# Altium PCB roach2.PcbDoc (part 20 of 39)
Units mil, origin at the board's own origin, x right, y up, seen from the top; angles counter-clockwise.
Board outline 12007.87 x 9606.3 mil, 16 copper layers (L1_TOP, L2_G, L3_S, L4_G, L5_S, L6_P, L7_G, L8_R, L9_R, L10_P, L11_P, L12_S, L13_P, L14_S, L15_G, L16_BOT), stack 81.651 mil thick; 1568 components, 1918 nets, 9251 pads, 6741 vias.
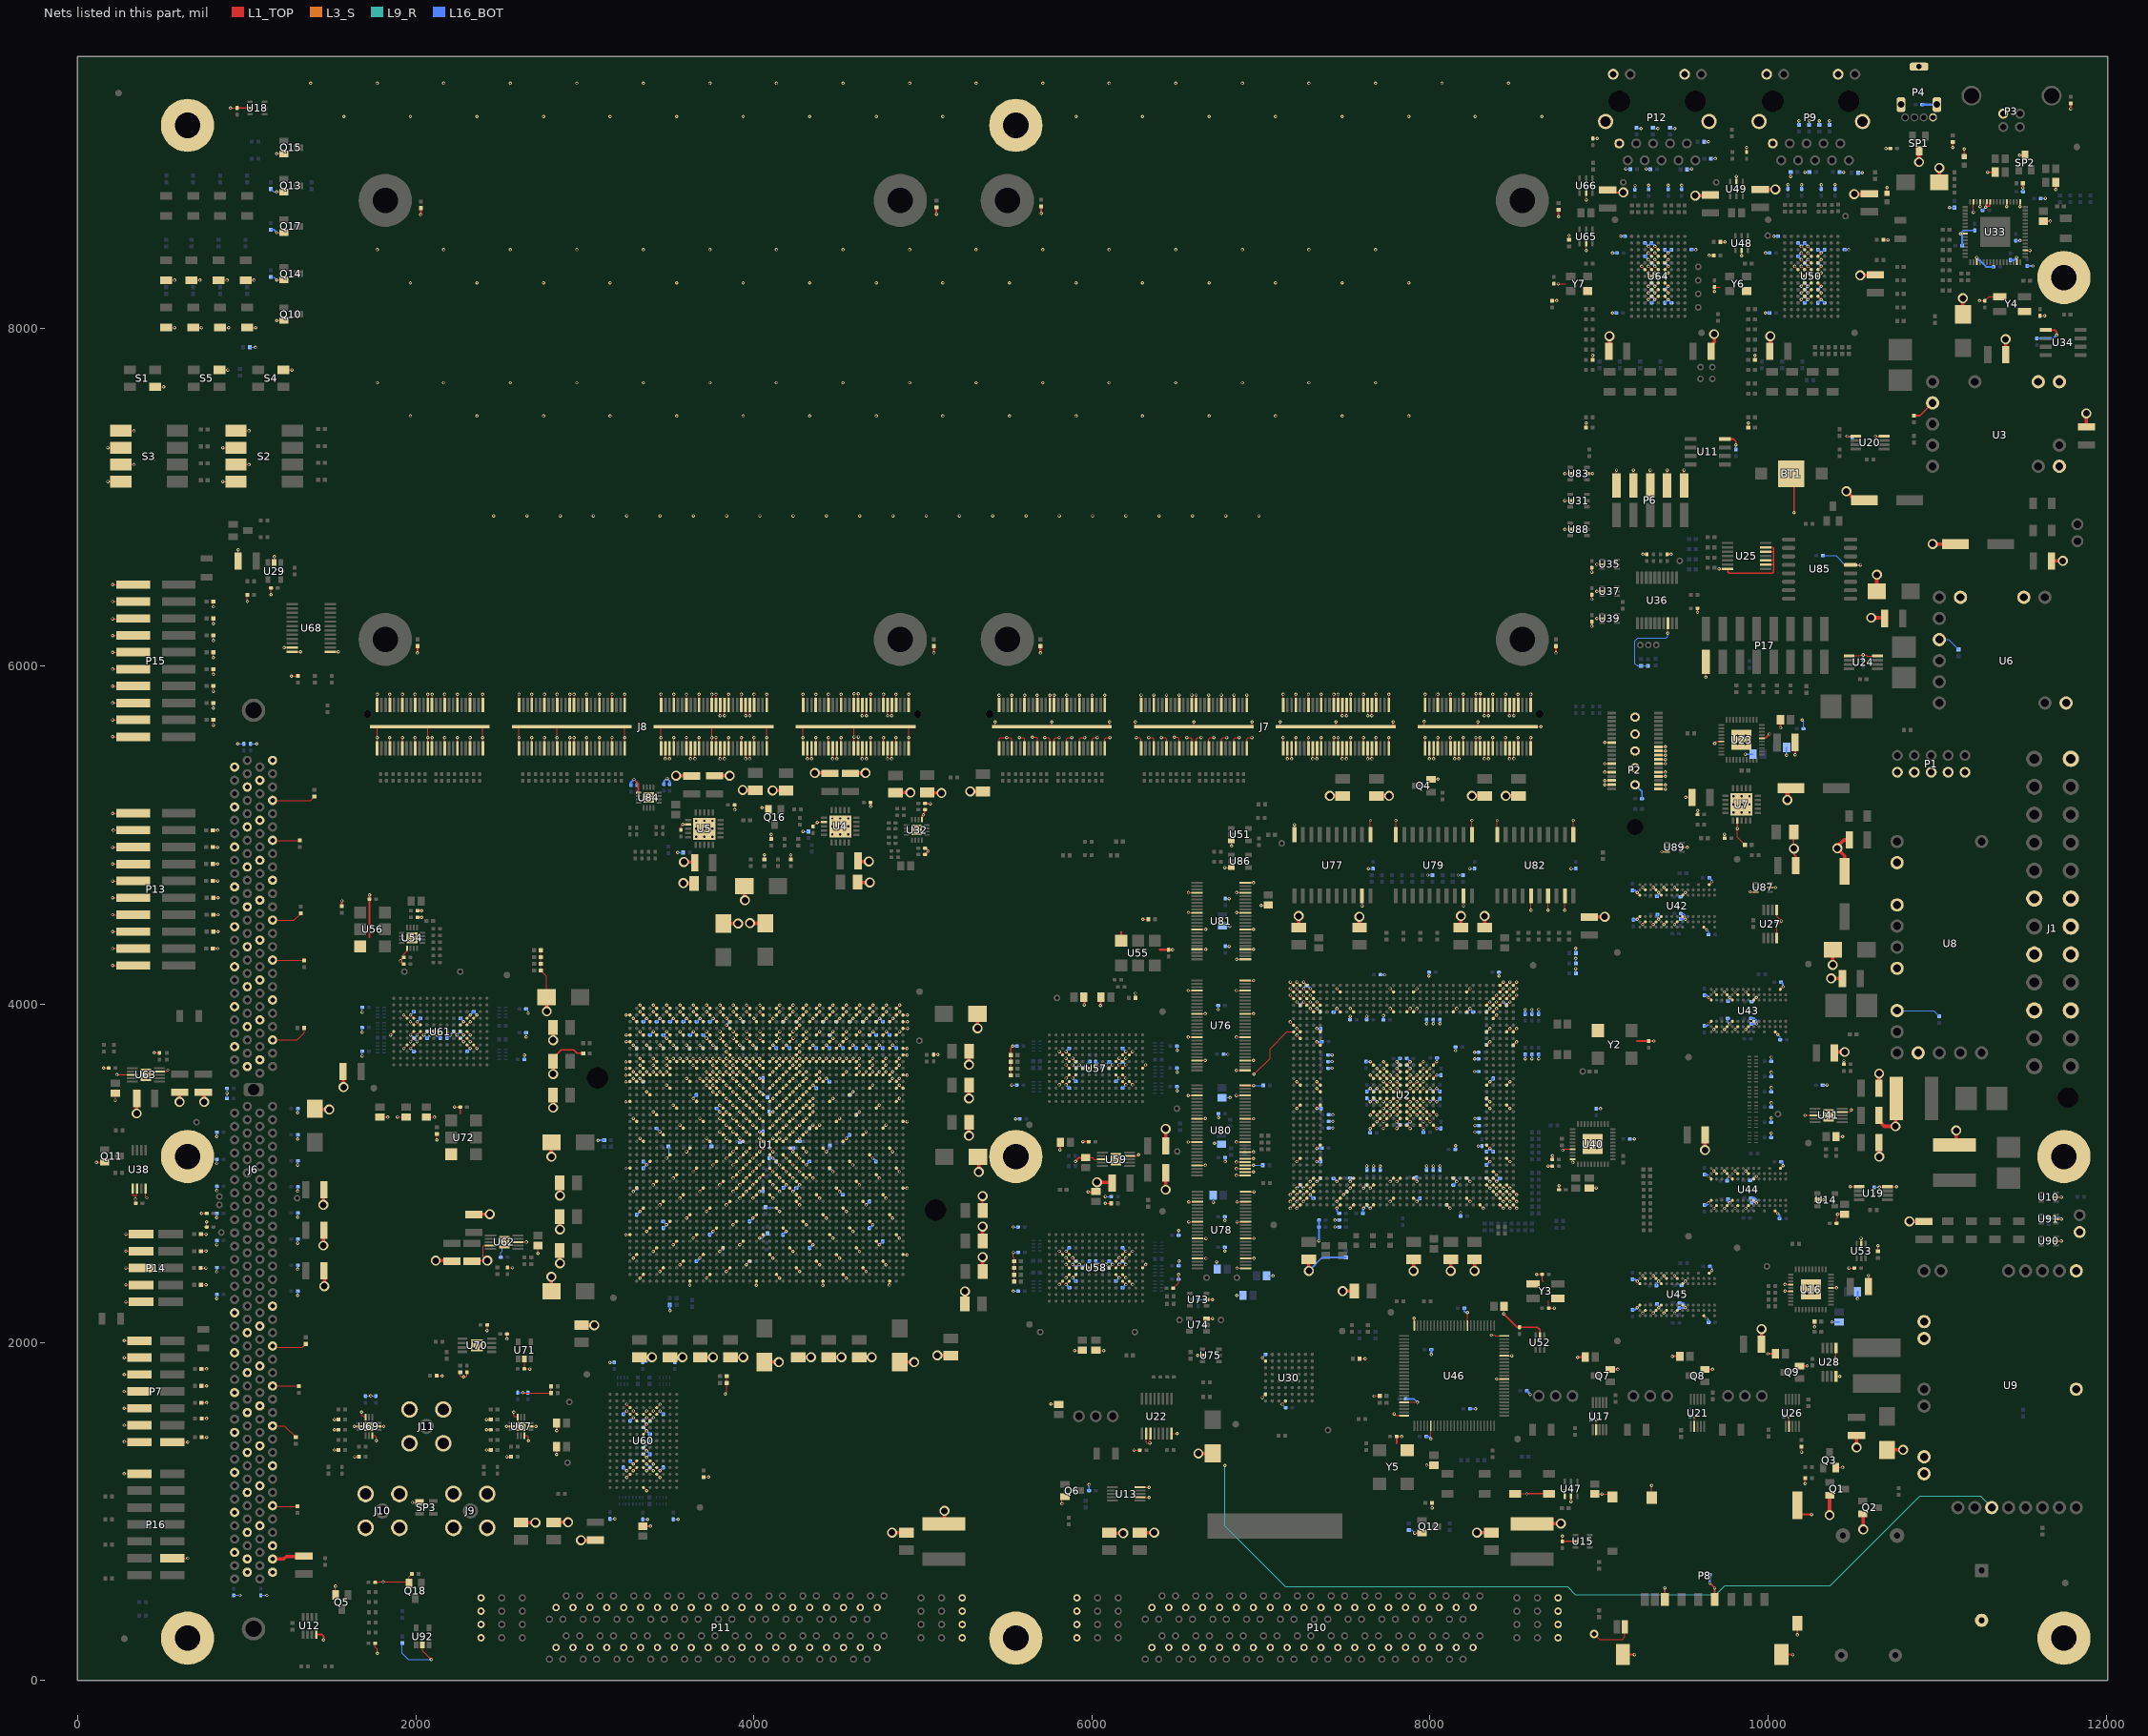
[diagram p34: the nets of this part, all layers, seen from the top]

## Via types
v1: diameter 19.4, hole 10, L1_TOP to L16_BOT, tented both sides, 3354 vias
v2: diameter 19.4, hole 10, L1_TOP to L16_BOT, 1954 vias
v3: diameter 19.4, hole 10, L1_TOP to L16_BOT, tented top, 429 vias
v4: diameter 18.6, hole 10, L1_TOP to L16_BOT, tented both sides, 311 vias
v5: diameter 59.06, hole 39.37, L1_TOP to L16_BOT, 217 vias
v6: diameter 19.4, hole 10.04, L1_TOP to L16_BOT, 125 vias
v7: diameter 19, hole 10, L1_TOP to L16_BOT, 93 vias
v8: diameter 19.4, hole 10, L1_TOP to L16_BOT, tented bottom, 80 vias
v9: diameter 25.98, hole 12.99, L1_TOP to L16_BOT, tented top, 55 vias
v10: diameter 20, hole 10, L1_TOP to L16_BOT, 53 vias
v11: diameter 59.06, hole 39.37, L1_TOP to L16_BOT, tented top, 44 vias
v12: diameter 20, hole 10, L1_TOP to L16_BOT, tented top, 16 vias
v13: diameter 19, hole 10, L1_TOP to L16_BOT, tented top, 5 vias
v14: diameter 25.98, hole 12.99, L1_TOP to L16_BOT, 4 vias
v15: diameter 50, hole 28, L1_TOP to L16_BOT, 1 vias

## Nets (pads, with @x,y where several pads share a name; then routed paths per layer and width w, separated by ;. In a path a pad name is that pad's centre, name@x,y a point inside that pad or via, vN(x,y) a via of type N, cw(c..) or ccw(c..) an arc to the next point about the centre after c; other vN are vias at no path point) (continued)
GND: (continued)
  L1_TOP w5: J7.CG7@7531.28,5515.49 v3(7531.28,5578.28) ; J7.CG17@7531.28,5770.49 v2(7531.28,5833.28) ; R113.1@7582.68,1902.99 v2@7614.68,1902.99 ; v2(7597.99,4583.41) U77.19@7597.99,4641.89 U77.19@7597.99,4641.99 ; J7.CG8@7606.28,5515.49 v3(7606.28,5578.28) ; J7.CG18@7606.28,5770.49 v2(7606.28,5833.28) ; v1(7606.77,2793.7) U2.M1@7626.46,2813.39 ; v1(7606.77,2911.81) U2.M4@7626.46,2931.5 ; v2(7631.28,5452.7) J7.C13@7631.28,5515.49 ; v3(7631.28,5707.7) J7.C29@7631.28,5770.49 ; v2(7634.99,4802.99) v2@7635.31,4803.31 ; v1(7646.14,2793.7) U2.N1@7665.83,2813.39 ; v1(7646.14,2911.81) U2.N4@7665.83,2931.5 ; v1(7646.14,3266.14) U2.N13@7665.83,3285.83 ; v1(7646.14,3344.88) U2.N15@7665.83,3364.57 ; v1(7646.14,3423.62) U2.N17@7665.83,3443.31 ; v1(7646.14,3502.36) U2.N18@7665.83,3482.68 ; v1(7646.14,3581.1) U2.N20@7665.83,3561.42 ; v1(7646.14,3659.84) U2.N22@7665.83,3640.16 ; U77.1@7647.99,5004.09 v2(7647.99,5088.42) ; v2(7656.28,5452.7) J7.C14@7656.28,5515.49 ; v3(7656.28,5707.7) J7.C30@7656.28,5770.49 ; v2@7672,1682 R123.2@7704,1682 ; J7.CG9@7681.28,5515.49 v3(7681.28,5578.28) ; J7.CG19@7681.28,5770.49 v2(7681.28,5833.28) ; v1(7685.51,3305.51) U2.P14@7705.2,3325.2 ; v1(7685.51,3344.88) U2.P15@7705.2,3364.57 ; v1(7685.51,3423.62) U2.P17@7705.2,3443.31 ; v1(7685.51,3502.36) U2.P18@7705.2,3482.68 ; v1(7685.51,3581.1) U2.P20@7705.2,3561.42 ; v1(7685.51,3620.47) U2.P21@7705.2,3600.79 ; v1@7724.88,3344.88 U2.R15@7744.57,3364.57 ; v1@7724.88,3384.25 U2.R16@7744.57,3403.94 ; v1@7724.88,3423.62 U2.R17@7744.57,3443.31 ; v1@7724.88,3502.36 U2.R18@7744.57,3482.68 ; v1@7724.88,3541.73 U2.R19@7744.57,3522.05 ; v1@7724.88,3581.1 U2.R20@7744.57,3561.42 ; v1@7726.73,3267.99 U2.R13@7744.57,3285.83 ; v1@7726.73,3657.99 U2.R22@7744.57,3640.16 ; v1@7727.36,3307.99 U2.R14@7744.57,3325.2 ; v1@7727.36,3617.99 U2.R21@7744.57,3600.79 ; J7.CG10@7756.28,5515.49 v3(7756.28,5578.28) ; J7.CG20@7756.28,5770.49 v2(7756.28,5833.28) ; v1(7764.25,2833.07) U2.T2@7783.94,2852.76 ; v1(7764.25,2951.18) U2.T5@7783.94,2970.87 ; v1(7764.25,3344.88) U2.T15@7783.94,3364.57 ; v1(7764.25,3384.25) U2.T16@7783.94,3403.94 ; v1(7764.25,3423.62) U2.T17@7783.94,3443.31 ; v1(7764.25,3502.36) U2.T18@7783.94,3482.68 ; v1(7764.25,3541.73) U2.T19@7783.94,3522.05 ; v1(7764.25,3581.1) U2.T20@7783.94,3561.42 ; v1(7764.25,3974.8) U2.T30@7783.94,3955.12 ; v1(7764.25,4092.91) U2.T33@7783.94,4073.23 ; J7.CGND@7782.99,5642.99 v3(7782.99,5670.99) ; v2(7786.99,1576.99) 7797.21,1566.77 U46.25@7846.73,1566.77 ; U79.10@7797.99,5004.09 v2(7797.99,5088.42) ; C273.1@7802.68,1442.99 v2(7832.99,1442.99) ; v1(7803.62,2951.18) U2.U5@7823.31,2970.87 ; v1(7803.62,3266.14) U2.U13@7823.31,3285.83 ; v1(7803.62,3305.51) U2.U14@7823.31,3325.2 ; v1(7803.62,3344.88) U2.U15@7823.31,3364.57 ; v1(7803.62,3384.25) U2.U16@7823.31,3403.94 ; v1(7803.62,3423.62) U2.U17@7823.31,3443.31 ; v1(7803.62,3502.36) U2.U18@7823.31,3482.68 ; v1(7803.62,3541.73) U2.U19@7823.31,3522.05 ; v1(7803.62,3581.1) U2.U20@7823.31,3561.42 ; v1(7803.62,3620.47) U2.U21@7823.31,3600.79 ; v1(7803.62,3659.84) U2.U22@7823.31,3640.16 ; U46.21@7846.73,1645.51 v2(7924.91,1645.51) ; U2.V13@7862.68,3285.83 v1(7882.36,3266.14) ; U2.V14@7862.68,3325.2 v1(7882.36,3305.51) ; U2.V15@7862.68,3364.57 v1(7882.36,3344.88) ; U2.V16@7862.68,3403.94 v1(7882.36,3384.25) ; U2.V17@7862.68,3443.31 v1(7882.36,3423.62) ; U2.V18@7862.68,3482.68 v1(7882.36,3502.36) ; U2.V19@7862.68,3522.05 v1(7882.36,3541.73) ; U2.V20@7862.68,3561.42 v1(7882.36,3581.1) ; U2.V21@7862.68,3600.79 v1(7882.36,3620.47) ; U2.V22@7862.68,3640.16 v1(7882.36,3659.84) ; U2.V30@7862.68,3955.12 v1(7882.36,3974.8) ; U2.W2@7902.05,2852.76 v1(7921.73,2833.07) ; U2.W5@7902.05,2970.87 v1(7921.73,2951.18) ; U2.W15@7902.05,3364.57 v1(7921.73,3344.88) ; U2.W16@7902.05,3403.94 v1(7921.73,3384.25) ; U2.W17@7902.05,3443.31 v1(7921.73,3423.62) ; U2.W18@7902.05,3482.68 v1(7921.73,3502.36) ; U2.W19@7902.05,3522.05 v1(7921.73,3541.73) ; U2.W20@7902.05,3561.42 v1(7921.73,3581.1) ; U2.W30@7902.05,3955.12 v1(7921.73,3974.8) ; U2.W33@7902.05,4073.23 v1(7921.73,4092.91) ; U46.100@7906.51,2111.16 v3(7906.51,2142.65) ; v2(7909.87,872.17) Q12.2@7952.13,872.17 ; U2.Y13@7941.42,3285.83 v1(7961.1,3266.14) ; U2.Y14@7941.42,3325.2 v1(7961.1,3305.51) ; U2.Y15@7941.42,3364.57 v1(7961.1,3344.88) ; U2.Y16@7941.42,3403.94 v1(7961.1,3384.25) ; U2.Y17@7941.42,3443.31 v1(7961.1,3423.62) ; U2.Y18@7941.42,3482.68 v1(7961.1,3502.36) ; U2.Y19@7941.42,3522.05 v1(7961.1,3541.73) ; U2.Y20@7941.42,3561.42 v1(7961.1,3581.1) ; U2.Y21@7941.42,3600.79 v1(7961.1,3620.47) ; U2.Y22@7941.42,3640.16 v1(7961.1,3659.84) ; J7.DGND@7964.99,5644.99 v3(7964.99,5672.99) ; J7.DG1@7971.28,5515.49 v3(7971.28,5578.28) ; J7.DG11@7971.28,5770.49 v2(7971.28,5833.28) ; v2(7980.73,1273.46) C268.1@8022.99,1273.46 ; U2.AA14@7980.79,3325.2 v1(8000.47,3305.51) ; U2.AA15@7980.79,3364.57 v1(8000.47,3344.88) ; U2.AA17@7980.79,3443.31 v1(8000.47,3423.62) ; U2.AA18@7980.79,3482.68 v1(8000.47,3502.36) ; U2.AA20@7980.79,3561.42 v1(8000.47,3581.1) ; U2.AA21@7980.79,3600.79 v1(8000.47,3620.47) ; v2(7986.99,4764.36) v2@7987.31,4764.68 ; v2(7996.28,5452.7) J7.D1@7996.28,5515.49 ; v2(8005.2,1428.55) U46.31@8005.2,1506.73 ; v2(8012.36,1020.99) SP37.1@8012.36,1050.99 ; Q4.2@8018.99,5332.68 8046.68,5332.68 v3(8046.99,5332.99) ; U2.AB13@8020.16,3285.83 v1(8039.84,3266.14) ; U2.AB15@8020.16,3364.57 v1(8039.84,3344.88) ; U2.AB17@8020.16,3443.31 v1(8039.84,3423.62) ; U2.AB18@8020.16,3482.68 v1(8039.84,3502.36) ; U2.AB20@8020.16,3561.42 v1(8039.84,3581.1) ; U2.AB22@8020.16,3640.16 v1(8039.84,3659.84) ; v2(8021.28,5452.7) J7.D2@8021.28,5515.49 ; J7.DG2@8046.28,5515.49 v3(8046.28,5578.28) ; J7.DG12@8046.28,5770.49 v2(8046.28,5833.28) ; U2.AD1@8098.9,2813.39 v1(8118.58,2793.7) ; J7.DG3@8121.28,5515.49 v3(8121.28,5578.28) ; J7.DG13@8121.28,5770.49 v2(8121.28,5833.28) ; U2.AE5@8138.27,2970.87 v1(8157.95,2951.18) ; U2.AE30@8138.27,3955.12 v1(8157.95,3974.8) ; v2(8146.28,5452.7) J7.D5@8146.28,5515.49 ; v2(8166.99,4764.36) v2@8167.31,4764.68 ; v2(8171.28,5452.7) J7.D6@8171.28,5515.49 ; J7.DG4@8196.28,5515.49 v3(8196.28,5578.28) ; J7.DG14@8196.28,5770.49 v2(8196.28,5833.28) ; v3(8197.99,4583.31) U79.19@8197.99,4641.89 ; U2.AG2@8217.01,2852.76 v1(8236.69,2833.07) ; U2.AG5@8217.01,2970.87 v1(8236.69,2951.18) ; U2.AG30@8217.01,3955.12 v1(8236.69,3974.8) ; U2.AG33@8217.01,4073.23 v1(8236.69,4092.91) ; U46.84@8221.73,2099.25 v2(8221.73,2177.43) ; v2(8234.99,4802.99) v2@8235.31,4803.31 ; U79.1@8247.99,5004.09 v2(8247.99,5088.42) ; J7.DG5@8271.28,5515.49 v3(8271.28,5578.28) ; J7.DG15@8273.57,5773.99 v2(8273.57,5836.78) ; v3(8282.99,5670.99) J7.DGND@8282.99,5642.99 v3(8655.78,5642.99) ; U2.AJ1@8295.75,2813.39 v1(8315.43,2793.7) ; J7.DG6@8296.28,5515.49 v3(8296.28,5578.28) ; J7.DG16@8298.57,5773.99 v2(8298.57,5836.78) ; v2(8321.28,5452.7) J7.D9@8321.28,5515.49 ; v3(8321.28,5707.7) J7.D25@8321.28,5770.49 ; U2.AK4@8335.12,2931.5 v1(8354.8,2911.81) ; U2.AK5@8335.12,2970.87 v1(8354.8,2951.18) ; U2.AK8@8335.12,3088.98 v1(8354.8,3069.29) ; U2.AK10@8335.12,3167.72 v1(8354.8,3148.03) ; U2.AK16@8335.12,3403.94 v1(8354.8,3384.25) ; U2.AK17@8335.12,3443.31 v1(8354.8,3423.62) ; U2.AK19@8335.12,3522.05 v1(8354.8,3541.73) ; U2.AK25@8335.12,3758.27 v1(8354.8,3777.95) ; U2.AK27@8335.12,3837.01 v1(8354.8,3856.69) ; U2.AK30@8335.12,3955.12 v1(8354.8,3974.8) ; U2.AK31@8335.12,3994.49 v1(8354.8,4014.17) ; v2(8346.28,5452.7) J7.D10@8346.28,5515.49 ; v3(8346.28,5707.7) J7.D26@8346.28,5770.49 ; v2(8363.2,2042.99) 8381.86,2042.99 8385.64,2039.21 U46.75@8439.25,2039.21 ; J7.DG7@8371.28,5515.49 v3(8371.28,5578.28) ; J7.DG17@8371.28,5770.49 v2(8371.28,5833.28) ; U2.AL3@8374.49,2892.13 v1(8394.17,2872.44) ; U2.AL4@8374.49,2931.5 v1(8394.17,2911.81) ; U2.AL5@8374.49,2970.87 v1(8394.17,2951.18) ; U2.AL6@8374.49,3010.24 v1(8394.17,2990.55) ; U2.AL29@8374.49,3915.75 v1(8394.17,3935.43) ; U2.AL30@8374.49,3955.12 v1(8394.17,3974.8) ; U2.AL31@8374.49,3994.49 v1(8394.17,4014.17) ; U2.AL32@8374.49,4033.86 v1(8394.17,4053.54) ; v3(8394.04,1783.31) U46.62@8439.25,1783.31 ; U82.10@8397.99,5004.09 v2(8397.99,5088.42) ; U2.AM1@8413.86,2813.39 v1(8433.54,2793.7) ; U2.AM2@8413.86,2852.76 v1(8433.54,2833.07) ; U2.AM3@8413.86,2892.13 v1(8433.54,2872.44) ; U2.AM4@8413.86,2931.5 v1(8433.54,2911.81) ; U2.AM31@8413.86,3994.49 v1(8433.54,4014.17) ; U2.AM32@8413.86,4033.86 v1(8433.54,4053.54) ; U2.AM33@8413.86,4073.23 v1(8433.54,4092.91) ; U2.AM34@8413.86,4112.6 v1(8433.54,4132.28) ; v2(8436.99,2168.99) C262.1@8436.99,2200.99 ; U46.69@8439.25,1921.1 v3(8484.46,1921.1) ; J7.DG8@8446.28,5515.49 v3(8446.28,5578.28) ; J7.DG18@8446.28,5770.49 v2(8446.28,5833.28) ; U2.AN1@8453.23,2813.39 v1(8472.91,2793.7) ; U2.AN2@8453.23,2852.76 v1(8472.91,2833.07) ; U2.AN3@8453.23,2892.13 v1(8472.91,2872.44) ; U2.AN4@8453.23,2931.5 v1(8472.91,2911.81) ; U2.AN8@8453.23,3088.98 v1(8472.91,3069.29) ; U2.AN16@8453.23,3403.94 v1(8472.91,3384.25) ; U2.AN19@8453.23,3522.05 v1(8472.91,3541.73) ; U2.AN27@8453.23,3837.01 v1(8472.91,3856.69) ; U2.AN31@8453.23,3994.49 v1(8472.91,4014.17) ; U2.AN32@8453.23,4033.86 v1(8472.91,4053.54) ; U2.AN33@8453.23,4073.23 v1(8472.91,4092.91) ; U2.AN34@8453.23,4112.6 v1(8472.91,4132.28) ; v2(8471.28,5452.7) J7.D13@8471.28,5515.49 ; v3(8471.28,5707.7) J7.D29@8471.28,5770.49 ; U2.AP1@8492.6,2813.39 v1(8512.28,2793.7) ; U2.AP2@8492.6,2852.76 v1(8512.28,2833.07) ; U2.AP3@8492.6,2892.13 v1(8512.28,2872.44) ; U2.AP25@8492.6,3758.27 v1(8512.28,3777.95) ; U2.AP27@8492.6,3837.01 v1(8512.28,3856.69) ; U2.AP32@8492.6,4033.86 v1(8512.28,4053.54) ; U2.AP33@8492.6,4073.23 v1(8512.28,4092.91) ; U2.AP34@8492.6,4112.6 v1(8512.28,4132.28) ; v2(8496.28,5452.7) J7.D14@8496.28,5515.49 ; v3(8496.28,5707.7) J7.D30@8496.28,5770.49 ; J7.DG9@8521.28,5515.49 v3(8521.28,5578.28) ; J7.DG19@8521.28,5770.49 v2(8521.28,5833.28) ; DS24.1@8522.99,1103.94 v2(8573.13,1103.94) ; J7.DG10@8596.28,5515.49 v3(8596.28,5578.28) ; J7.DG20@8596.28,5770.49 v2(8596.28,5833.28) ; v3(8597.99,4557.56) U82.15@8597.99,4641.89 ; Y3.2@8610.16,2346.3 Y3.2@8627.3,2346.3 ; v2(8631.31,2402.99) C186.1@8663.31,2402.99 8663.31,2366.69 8670,2360 ; v3(8697.99,4557.56) U82.17@8697.99,4641.89 ; 8702.68,2247.32 C187.1@8702.68,2202.99 v2(8734.68,2202.99) ; R284.1@8722.99,8162.68 v3(8748.99,8162.68) v3@8750.99,8162.68 ; C709.1@8732.99,8263.31 v2(8758.99,8263.31) ; Y3.4@8738.68,2259.68 Y3.4@8755.83,2259.68 ; v2@8760,8658.31 v2(8760,8660.31) ; v2@8760.99,8263.31 v2(8758.99,8263.31) ; C44.1@8782.99,822.68 v2(8782.99,854.11) ; v2@8786.99,3134.99 8795.46,3143.46 U40.7@8843.9,3143.46 ; U47.1@8797.05,1089.68 v2(8797.05,1121.12) ; v2(8797.99,4557.56) U82.19@8797.99,4641.89 ; v2(8798.1,6810) U88.2@8830.79,6810 ; v2(8798.1,6980) U31.2@8830.79,6980 ; v2(8798.1,7140) U83.2@8830.79,7140 ; 8802.69,8263.31 v2(8758.99,8263.31) ; R413.1@8822.99,8522.68 v2(8822.99,8548.68) v2@8822.99,8550.68 ; v2(8834.45,1058.25) U47.2@8834.45,1089.68 ; v2(8834.99,4802.99) v2@8835.31,4803.31 ; v3(8843.9,3064.09) U40.10@8843.9,3084.41 ; U82.1@8847.99,5004.09 v2(8847.99,5088.42) ; v2@8922.99,8457.68 v2(8922.99,8459.68) U65.2@8922.99,8499.68 ; v2@8922.99,8757.68 v2(8922.99,8759.68) U66.2@8922.99,8799.68 ; R400.1@8923.31,7412.99 v2(8923.31,7438.99) v2@8923.31,7440.99 ; U83.5@8929.21,7140 v2(8961.9,7140) ; v2(8956.99,6237.02) C197.1@8956.99,6261.34 ; v2(8956.99,6397.02) C196.1@8956.99,6421.34 ; v2(8956.99,6557.02) C191.1@8956.99,6581.34 ; R409.1@8962.68,7812.99 v2(8962.68,7838.99) v2@8962.68,7840.99 ; C702.1@8962.99,9122.68 v2(8988.99,9122.68) v2@8990.99,9122.68 ; v15(8970,274) 9002,242 9137,242 9152.91,257.91 P8.10@9152.91,316.02 ; C272.1@8974.45,1103.46 v2(9016.71,1103.46) 9061.73,1103.46 P8.SH5@9080.08,1085.12 ; U17.2@8983.31,1482.28 v2(8983.31,1543.31) ; v2(8986.99,6282.99) U39.2@9019.68,6282.99 ; v2(8986.99,6442.99) U37.2@9019.68,6442.99 ; v2(8986.99,6602.99) U35.2@9019.68,6602.99 ; v2(9034.32,5298.99) P2.3@9074.02,5298.99 ; v2(9034.32,5323.99) P2.5@9074.02,5323.99 ; v2(9034.32,5373.99) P2.9@9074.02,5373.99 ; v2(9034.32,5423.99) P2.13@9074.02,5423.99 ; v2(9034.32,5548.99) P2.23@9074.02,5548.99 ; P6.6@9102.99,7070.39 v2(9102.99,7160.99) ; P6.7@9202.99,7070.39 v2(9202.99,7160.99) ; v4(9226.38,2204.72) U45.A3@9242.13,2220.47 ; v4(9226.38,2362.2) U45.A7@9242.13,2346.46 ; v4(9226.38,4503.94) U42.A3@9242.13,4519.68 ; v4(9226.38,4661.42) U42.A7@9242.13,4645.67 ; v1(9251.97,8366.14) U64.H7@9271.65,8346.46 ; v4(9257.87,2173.23) U45.B2@9273.62,2188.98 ; v4(9257.87,2393.7) U45.B8@9273.62,2377.95 ; v4(9257.87,4472.44) U42.B2@9273.62,4488.19 ; v4(9257.87,4692.91) U42.B8@9273.62,4677.17 ; v2(9259.31,6662.68) C195.1@9282.99,6662.68 ; v1(9291.34,8169.29) U64.D6@9311.02,8188.98 ; v1(9291.34,8208.66) U64.E6@9311.02,8228.35 ; v1(9291.34,8248.03) U64.F6@9311.02,8267.72 ; v1(9291.34,8326.77) U64.G6@9311.02,8307.09 ; v1(9291.34,8366.14) U64.H6@9311.02,8346.46 ; v1(9291.34,8405.51) U64.J6@9311.02,8385.83 ; v1(9291.34,8444.88) U64.K6@9311.02,8425.2 ; v1(9291.34,8484.25) U64.L6@9311.02,8464.57 ; P6.8@9302.99,7070.39 v2(9302.99,7160.99) ; P8.12@9311.18,1080.79 v2(9311.18,1152.82) ; v4(9320.87,2173.23) U45.D2@9336.61,2188.98 ; v4(9320.87,2393.7) U45.D8@9336.61,2377.95 ; v4(9320.87,4472.44) U42.D2@9336.61,4488.19 ; v4(9320.87,4692.91) U42.D8@9336.61,4677.17 ; v1(9330.71,8169.29) U64.D5@9350.39,8188.98 ; v1(9330.71,8208.66) U64.E5@9350.39,8228.35 ; v1(9330.71,8248.03) U64.F5@9350.39,8267.72 ; v1(9330.71,8326.77) U64.G5@9350.39,8307.09 ; v1(9330.71,8366.14) U64.H5@9350.39,8346.46 ; v1(9330.71,8405.51) U64.J5@9350.39,8385.83 ; v1(9330.71,8444.88) U64.K5@9350.39,8425.2 ; v1(9330.71,8484.25) U64.L5@9350.39,8464.57 ; P2.2@9351.97,5273.99 v2(9391.67,5273.99) ; P2.4@9351.97,5298.99 v2(9391.67,5298.99) ; P2.8@9351.97,5348.99 v2(9391.67,5348.99) ; P2.10@9351.97,5373.99 v2(9391.67,5373.99) ; P2.14@9351.97,5423.99 v2(9391.67,5423.99) ; P2.16@9351.97,5448.99 v2(9391.67,5448.99) ; P2.18@9351.97,5473.99 v2(9391.67,5473.99) ; P2.20@9351.97,5498.99 v2(9391.67,5498.99) ; P2.22@9351.97,5523.99 v2(9391.67,5523.99) ; v4(9352.36,2204.72) U45.E3@9368.11,2220.47 ; v4(9352.36,2362.2) U45.E7@9368.11,2346.46 ; v4(9352.36,4503.94) U42.E3@9368.11,4519.68 ; v4(9352.36,4661.42) U42.E7@9368.11,4645.67 ; v3(9371.28,4902.41) U89.6@9402.98,4902.41 ; v4(9383.86,2173.23) U45.F2@9399.61,2188.98 ; v4(9383.86,2393.7) U45.F8@9399.61,2377.95 ; v4(9383.86,4472.44) U42.F2@9399.61,4488.19 ; v4(9383.86,4692.91) U42.F8@9399.61,4677.17 ; U64.D4@9389.76,8188.98 v1(9409.45,8169.29) ; U64.E4@9389.76,8228.35 v1(9409.45,8208.66) ; U64.F4@9389.76,8267.72 v1(9409.45,8248.03) ; U64.G4@9389.76,8307.09 v1(9409.45,8326.77) ; U64.H4@9389.76,8346.46 v1(9409.45,8366.14) ; U64.J4@9389.76,8385.83 v1(9409.45,8405.51) ; U64.K4@9389.76,8425.2 v1(9409.45,8444.88) ; C192.1@9402.99,6662.68 v2(9426.68,6662.68) ; P6.9@9402.99,7070.39 v2(9402.99,7160.99) ; v2(9406.97,6195.46) U36.18@9406.97,6254.15 ; v4(9446.85,2173.23) U45.H2@9462.6,2188.98 ; v4(9446.85,2393.7) U45.H8@9462.6,2377.95 ; v4(9446.85,4472.44) U42.H2@9462.6,4488.19 ; v4(9446.85,4692.91) U42.H8@9462.6,4677.17 ; U89.2@9489.59,4928 v3(9521.28,4928) ; U45.J3@9494.09,2220.47 v4(9509.84,2204.72) ; U45.J7@9494.09,2346.46 v4(9509.84,2362.2) ; U42.J3@9494.09,4519.68 v4(9509.84,4503.94) ; U42.J7@9494.09,4645.67 v4(9509.84,4661.42) ; P6.10@9502.99,7070.39 v2(9502.99,7160.99) ; U21.2@9563.31,1502.28 v2(9563.31,1563.31) ; v3@9582.68,6316.99 v3(9582.68,6318.99) C198.1@9582.68,6342.99 ; C22.1@9583.31,5122.99 v1(9583.31,5146.52) ; U45.N1@9620.08,2157.48 v4(9635.83,2141.73) ; U42.N1@9620.08,4456.69 v4(9635.83,4440.94) ; v2(9632.2,5934.95) P17.16@9632.2,6025.55 ; v4(9647.64,2824.8) U44.A3@9663.39,2840.55 ; v4(9647.64,2982.28) U44.A7@9663.39,2966.54 ; v4(9647.64,3883.86) U43.A3@9663.39,3899.61 ; v4(9647.64,4041.34) U43.A7@9663.39,4025.59 ; U45.P9@9651.57,2409.45 v4(9667.32,2425.2) ; U42.P9@9651.57,4708.66 v4(9667.32,4724.41) ; v2(9651.73,8430.99) R246.1@9678.31,8430.99 ; v4(9679.13,2793.31) U44.B2@9694.88,2809.06 ; v4(9679.13,3013.78) U44.B8@9694.88,2998.03 ; v4(9679.13,3852.36) U43.B2@9694.88,3868.11 ; v4(9679.13,4072.83) U43.B8@9694.88,4057.09 ; v2(9682.99,8216.73) C302.1@9682.99,8243.31 9716.69,8243.31 ; v10(9684,5544) 9695.15,5555.15 U23.16@9723.9,5555.15 ; v2@9708.93,6575.22 v2(9709.93,6576.22) U25.7@9760.79,6576.22 ; R414.1@9717.68,8510.99 v2(9744.26,8510.99) ; C25.1@9741.34,4982.99 v3(9741.34,5006.52) ; v4(9742.13,2793.31) U44.D2@9757.87,2809.06 ; v4(9742.13,3013.78) U44.D8@9757.87,2998.03 ; v4(9742.13,3852.36) U43.D2@9757.87,3868.11 ; v4(9742.13,4072.83) U43.D8@9757.87,4057.09 ; v4(9773.62,2824.8) U44.E3@9789.37,2840.55 ; v4(9773.62,2982.28) U44.E7@9789.37,2966.54 ; v4(9773.62,3883.86) U43.E3@9789.37,3899.61 ; v4(9773.62,4041.34) U43.E7@9789.37,4025.59 ; v4(9805.12,2793.31) U44.F2@9820.87,2809.06 ; v4(9805.12,3013.78) U44.F8@9820.87,2998.03 ; v4(9805.12,3852.36) U43.F2@9820.87,3868.11 ; v4(9805.12,4072.83) U43.F8@9820.87,4057.09 ; U49.2@9812.99,8866.3 v2(9812.99,8897.73) ; v2(9817.4,5039.99) 9817.4,4988.9 R19.1@9863.31,4942.99 ; v2(9842.99,8428.25) U48.2@9842.99,8459.68 ; v4(9868.11,2793.31) U44.H2@9883.86,2809.06 ; v4(9868.11,3013.78) U44.H8@9883.86,2998.03 ; v4(9868.11,3852.36) U43.H2@9883.86,3868.11 ; v4(9868.11,4072.83) U43.H8@9883.86,4057.09 ; C297.1@9872.99,9042.68 v2(9872.99,9069.26) ; R229.1@9883.31,7412.99 v2(9883.31,7439.57) ; v3(9894,4665.41) U87.6@9925.69,4665.41 ; U44.J3@9915.35,2840.55 v4(9931.1,2824.8) ; U44.J7@9915.35,2966.54 v4(9931.1,2982.28) ; U43.J3@9915.35,3899.61 v4(9931.1,3883.86) ; U43.J7@9915.35,4025.59 v4(9931.1,4041.34) ; R241.1@9922.68,7812.99 v2(9922.68,7839.57) ; U87.2@10012.31,4691 v3(10044,4691) ; U44.N1@10041.34,2777.56 v4(10057.09,2761.81) ; U43.N1@10041.34,3836.61 v4(10057.09,3820.87) ; U27.4@10051.38,4391.14 10051.38,4465.38 v2(10078.99,4492.99) 10051.38,4520.61 U27.5@10051.38,4558.46 ; U44.P9@10072.83,3029.53 v4(10088.58,3045.28) ; U43.P9@10072.83,4088.58 v4(10088.58,4104.33) ; v2(10101,2303.15) U16.16@10133.9,2303.15 ; v2(10101,2342.52) U16.14@10133.9,2342.52 ; U26.2@10123.31,1502.28 v2(10123.31,1563.31) ; v1(10157.48,8366.14) U50.H7@10177.17,8346.46 ; v1(10196.85,8169.29) U50.D6@10216.54,8188.98 ; v1(10196.85,8208.66) U50.E6@10216.54,8228.35 ; v1(10196.85,8248.03) U50.F6@10216.54,8267.72 ; v1(10196.85,8326.77) U50.G6@10216.54,8307.09 ; v1(10196.85,8366.14) U50.H6@10216.54,8346.46 ; v1(10196.85,8405.51) U50.J6@10216.54,8385.83 ; v1(10196.85,8444.88) U50.K6@10216.54,8425.2 ; v1(10196.85,8484.25) U50.L6@10216.54,8464.57 ; v2(10197.99,1351.31) R78.1@10197.99,1383.31 ; v2(10218.99,3342.99) U41.8@10277.28,3342.99 ; v2(10219.31,1164.99) R22.1@10219.31,1196.99 ; v1(10236.22,8169.29) U50.D5@10255.91,8188.98 ; v1(10236.22,8208.66) U50.E5@10255.91,8228.35 ; v1(10236.22,8248.03) U50.F5@10255.91,8267.72 ; v1(10236.22,8326.77) U50.G5@10255.91,8307.09 ; v1(10236.22,8366.14) U50.H5@10255.91,8346.46 ; v1(10236.22,8405.51) U50.J5@10255.91,8385.83 ; v1(10236.22,8444.88) U50.K5@10255.91,8425.2 ; v1(10236.22,8484.25) U50.L5@10255.91,8464.57 ; v2(10275.12,2091.56) R53.2@10275.12,2122.99 ; U14.2@10291.81,2842.99 v10(10328.99,2842.99) ; U50.D4@10295.28,8188.98 v1(10314.96,8169.29) ; U50.E4@10295.28,8228.35 v1(10314.96,8208.66) ; U50.F4@10295.28,8267.72 v1(10314.96,8248.03) ; U50.G4@10295.28,8307.09 v1(10314.96,8326.77) ; U50.H4@10295.28,8346.46 v1(10314.96,8366.14) ; U50.J4@10295.28,8385.83 v1(10314.96,8405.51) ; U50.K4@10295.28,8425.2 v1(10314.96,8444.88) ; U16.36@10372.09,2322.83 v2(10404.98,2322.83) ; v8(10397.68,1906.31) 10397.68,1925.68 10401.38,1929.38 U28.5@10401.38,1966.65 ; Q3.2@10400.39,1259.68 v2(10440.39,1259.68) ; U28.4@10401.38,1799.33 v2(10424.69,1799.33) ; C216.1@10402.52,3217.99 v2(10440.99,3217.99) ; C264.1@10404.68,2705 10404.68,2731.68 10411.18,2738.18 v10(10411.18,2757.99) ; U41.4@10438.7,3362.68 10482.68,3362.68 10490.99,3370.99 v2(10490.99,3374.99) ; C218.1@10448.31,3645.99 v2(10448.31,3666.99) ; v2(10467.33,7361.38) U20.5@10519.33,7361.38 ; v2(10478.88,2440) C490.1@10510.31,2440 ; U24.5@10479.33,6061.38 10480.94,6062.99 10540.99,6062.99 10544.99,6066.99 v10(10562.99,6066.99) 10578.99,6066.99 10584.99,6060.99 10646.27,6060.99 U24.4@10646.65,6061.38 ; v2(10486.61,2921.38) 